# KiCad board yuiop60hh5.kicad_pcb
title: YUIOP60HH; date: 2022-02-05; rev: 5; company: KaoriYa
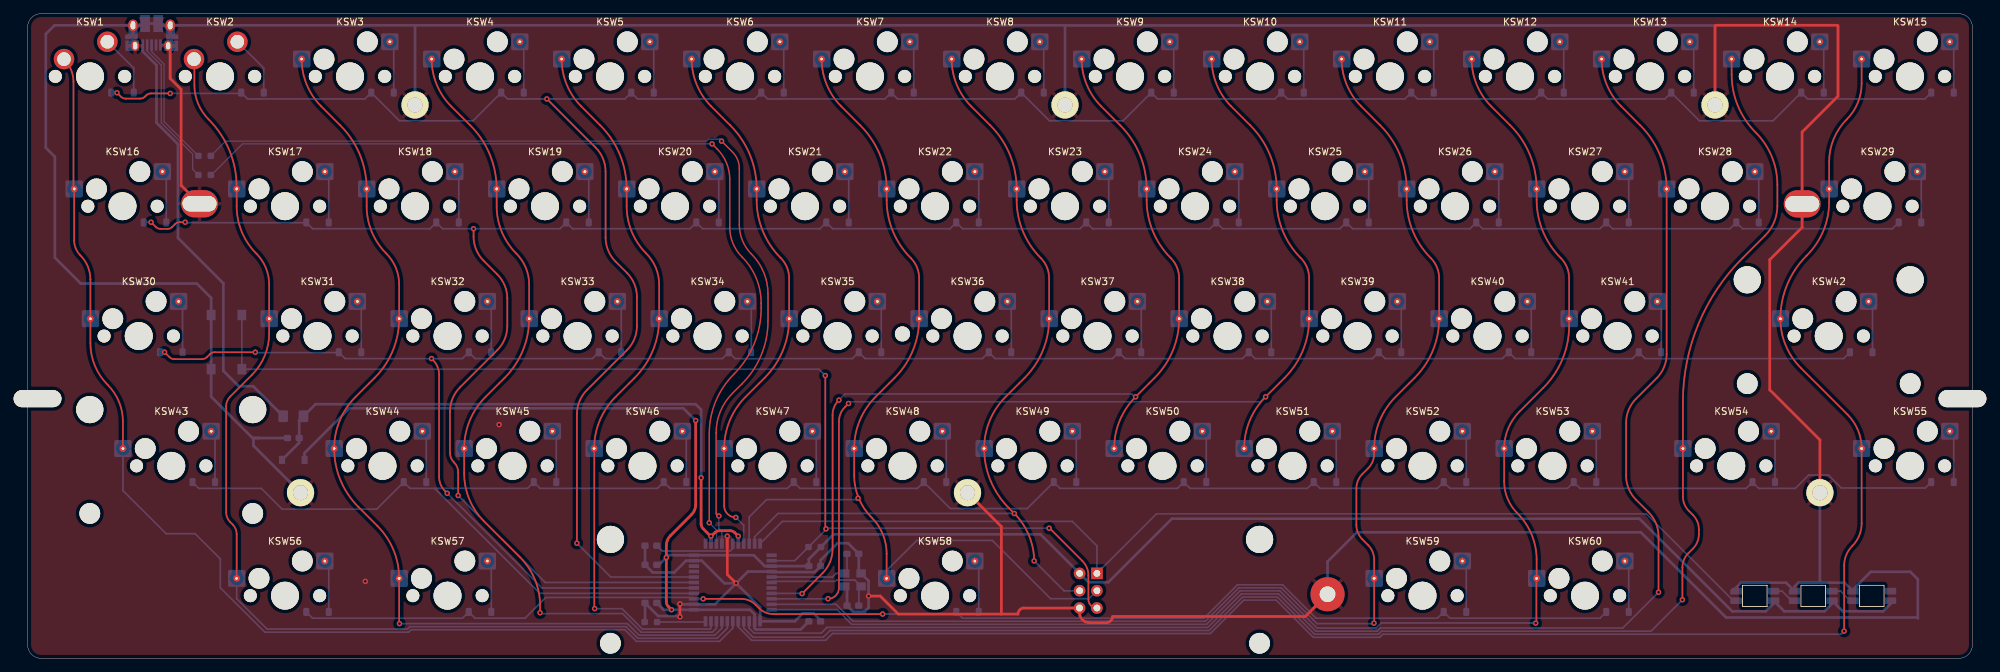
[diagram p0: board, top side]
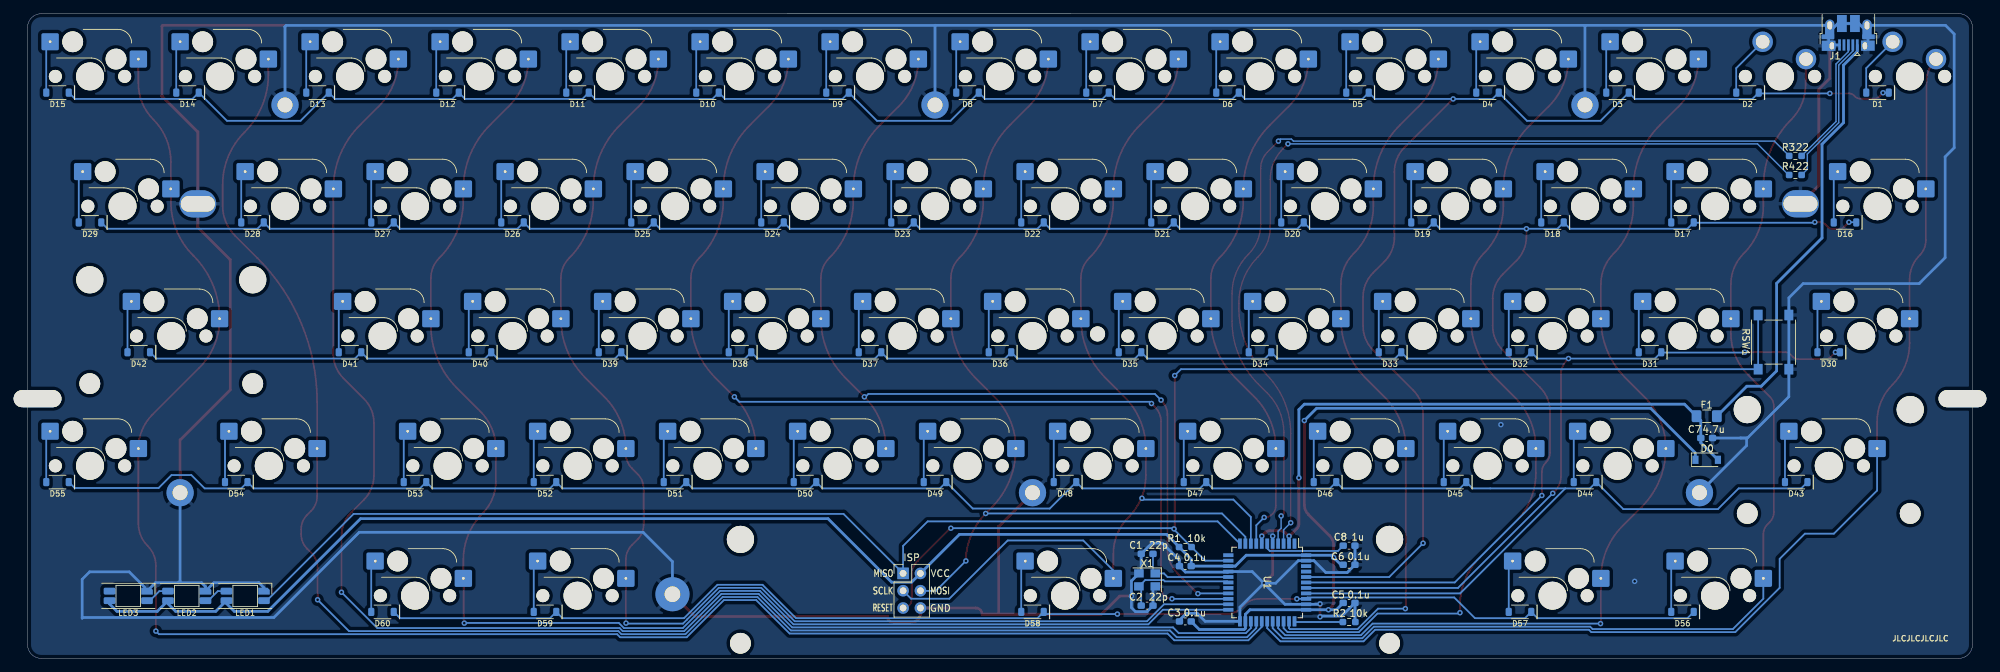
[diagram p1: board, bottom side, seen from below]

Outline 285 x 94.61 mm; copper layers: Top, Bottom. Coordinates in mm from the lower left corner of the outline.
Outline path: 0,92.61 0,2 arc(0.59,0.59) 2,0 283,0 arc(284.41,0.59) 285,2 285,92.6 arc(284.41,94.01) 283,94.6 2,94.61 arc(0.59,94.02) 0,92.61

## Placement (name value [footprint] x y rotation side)
C1  22p  [C_0603_1608Metric_Pad1.08x0.95mm_HandSolder]  120.94 15.34 0 bottom
C2  22p  [C_0603_1608Metric_Pad1.08x0.95mm_HandSolder]  120.94 7.74 180 bottom
C3  0.1u  [C_0603_1608Metric_Pad1.08x0.95mm_HandSolder]  115.34 5.42 0 bottom
C4  0.1u  [C_0603_1608Metric_Pad1.08x0.95mm_HandSolder]  115.34 13.54 0 bottom
C5  0.1u  [C_0603_1608Metric_Pad1.08x0.95mm_HandSolder]  91.34 8.14 180 bottom
C6  0.1u  [C_0603_1608Metric_Pad1.08x0.95mm_HandSolder]  91.34 13.74 180 bottom
C7  4.7u  [C_0603_1608Metric_Pad1.08x0.95mm_HandSolder]  38.94 32.34 180 bottom
C8  1u  [C_0603_1608Metric_Pad1.08x0.95mm_HandSolder]  91.34 16.54 0 bottom
D0  D_Schottky  [D_SOD-123]  38.94 29.14 180 bottom
D1  1N4148W  [D_SOD-123_v2]  13.91 83.02 180 top
D2  1N4148W  [D_SOD-123_v2]  32.96 83.02 180 top
D3  1N4148W  [D_SOD-123_v2]  52.01 83.02 180 top
D4  1N4148W  [D_SOD-123_v2]  71.06 83.02 180 top
D5  1N4148W  [D_SOD-123_v2]  90.11 83.02 180 top
D6  1N4148W  [D_SOD-123_v2]  109.16 83.02 180 top
D7  1N4148W  [D_SOD-123_v2]  128.21 83.02 180 top
D8  1N4148W  [D_SOD-123_v2]  147.26 83.02 180 top
D9  1N4148W  [D_SOD-123_v2]  166.31 83.02 180 top
D10  1N4148W  [D_SOD-123_v2]  185.36 83.02 180 top
D11  1N4148W  [D_SOD-123_v2]  204.41 83.02 180 top
D12  1N4148W  [D_SOD-123_v2]  223.46 83.02 180 top
D13  1N4148W  [D_SOD-123_v2]  242.51 83.02 180 top
D14  1N4148W  [D_SOD-123_v2]  261.56 83.02 180 top
D15  1N4148W  [D_SOD-123_v2]  280.61 83.02 180 top
D16  1N4148W  [D_SOD-123_v2]  18.67 63.97 180 top
D17  1N4148W  [D_SOD-123_v2]  42.49 63.97 180 top
D18  1N4148W  [D_SOD-123_v2]  61.54 63.97 180 top
D19  1N4148W  [D_SOD-123_v2]  80.59 63.97 180 top
D20  1N4148W  [D_SOD-123_v2]  99.64 63.97 180 top
D21  1N4148W  [D_SOD-123_v2]  118.69 63.97 180 top
D22  1N4148W  [D_SOD-123_v2]  137.74 63.97 180 top
D23  1N4148W  [D_SOD-123_v2]  156.79 63.97 180 top
D24  1N4148W  [D_SOD-123_v2]  175.84 63.97 180 top
D25  1N4148W  [D_SOD-123_v2]  194.89 63.97 180 top
D26  1N4148W  [D_SOD-123_v2]  213.94 63.97 180 top
D27  1N4148W  [D_SOD-123_v2]  232.99 63.97 180 top
D28  1N4148W  [D_SOD-123_v2]  252.04 63.97 180 top
D29  1N4148W  [D_SOD-123_v2]  275.85 63.97 180 top
D30  1N4148W  [D_SOD-123_v2]  21.06 44.92 180 top
D31  1N4148W  [D_SOD-123_v2]  47.25 44.92 180 top
D32  1N4148W  [D_SOD-123_v2]  66.3 44.92 180 top
D33  1N4148W  [D_SOD-123_v2]  85.35 44.92 180 top
D34  1N4148W  [D_SOD-123_v2]  104.4 44.92 180 top
D35  1N4148W  [D_SOD-123_v2]  123.45 44.92 180 top
D36  1N4148W  [D_SOD-123_v2]  142.5 44.92 180 top
D37  1N4148W  [D_SOD-123_v2]  161.55 44.92 180 top
D38  1N4148W  [D_SOD-123_v2]  180.6 44.92 180 top
D39  1N4148W  [D_SOD-123_v2]  199.65 44.92 180 top
D40  1N4148W  [D_SOD-123_v2]  218.7 44.92 180 top
D41  1N4148W  [D_SOD-123_v2]  237.75 44.92 180 top
D42  1N4148W  [D_SOD-123_v2]  268.71 44.92 180 top
D43  1N4148W  [D_SOD-123_v2]  25.82 25.87 180 top
D44  1N4148W  [D_SOD-123_v2]  56.78 25.87 180 top
D45  1N4148W  [D_SOD-123_v2]  75.82 25.87 180 top
D46  1N4148W  [D_SOD-123_v2]  94.88 25.87 180 top
D47  1N4148W  [D_SOD-123_v2]  113.93 25.87 180 top
D48  1N4148W  [D_SOD-123_v2]  132.97 25.87 180 top
D49  1N4148W  [D_SOD-123_v2]  152.03 25.87 180 top
D50  1N4148W  [D_SOD-123_v2]  171.07 25.87 180 top
D51  1N4148W  [D_SOD-123_v2]  190.12 25.87 180 top
D52  1N4148W  [D_SOD-123_v2]  209.18 25.87 180 top
D53  1N4148W  [D_SOD-123_v2]  228.23 25.87 180 top
D54  1N4148W  [D_SOD-123_v2]  254.42 25.87 180 top
D55  1N4148W  [D_SOD-123_v2]  280.61 25.87 180 top
D56  1N4148W  [D_SOD-123_v2]  42.49 6.82 180 top
D57  1N4148W  [D_SOD-123_v2]  66.3 6.82 180 top
D58  1N4148W  [D_SOD-123_v2]  137.74 6.82 180 top
D59  1N4148W  [D_SOD-123_v2]  209.18 6.82 180 top
D60  1N4148W  [D_SOD-123_v2]  232.99 6.82 180 top
F1  Fuse  [Fuse_1206_3216Metric_Pad1.42x1.75mm_HandSolder]  38.94 35.54 180 bottom
HOLE1  Hole_5x2.3_6  [Hole_5x2.5_7]  25.2 66.71 0 top
HOLE2  Hole_5x2.3_6  [Hole_5x2.5_7]  260.05 66.7 0 top
HOLE3  Hole_2.3  [Hole_2.2]  128.2 47.61 0 top
HOLE4  Hole_5x2.3_6  [Hole_5x2.5_7#2]  190.5 9.41 0 top
HOLE5  Hole_7x2.5  [Hole_7x2.5_10x5]  1.46 38.11 0 top
HOLE6  Hole_7x2.5  [Hole_7x2.5_10x5]  283.54 38.11 0 top
HOLE7  -  [Hole_2.2_4]  56.78 81.21 180 top
HOLE8  -  [Hole_2.2_4]  40 24.31 0 top
HOLE9  -  [Hole_2.2_4]  247.27 81.21 0 top
HOLE10  -  [Hole_2.2_4]  262.65 24.31 0 top
HOLE11  -  [Hole_2.2_4]  152.03 81.21 0 top
HOLE12  -  [Hole_2.2_4]  137.74 24.31 0 top
J1  USB_B_Micro  [USB_Micro-B_Amphenol_10103594-0001LF_Horizontal]  18.2 91.78 0 bottom
J2  ISP  [PinHeader_2x03_P2.54mm_Vertical]  156.7 12.47 180 bottom
KSW1  KEY_SWITCH  [Cherry_MX_MillMax_1.0u]  9.15 85.4 0 top
KSW2  KEY_SWITCH  [Cherry_MX_MillMax_1.0u]  28.2 85.4 0 top
KSW3  KEY_SWITCH  [Cherry_MX_Hotswap_1.0u_v3]  47.25 85.4 0 top
KSW4  KEY_SWITCH  [Cherry_MX_Hotswap_1.0u_v3]  66.3 85.4 0 top
KSW5  KEY_SWITCH  [Cherry_MX_Hotswap_1.0u_v3]  85.35 85.4 0 top
KSW6  KEY_SWITCH  [Cherry_MX_Hotswap_1.0u_v3]  104.4 85.4 0 top
KSW7  KEY_SWITCH  [Cherry_MX_Hotswap_1.0u_v3]  123.45 85.4 0 top
KSW8  KEY_SWITCH  [Cherry_MX_Hotswap_1.0u_v3]  142.5 85.4 0 top
KSW9  KEY_SWITCH  [Cherry_MX_Hotswap_1.0u_v3]  161.55 85.4 0 top
KSW10  KEY_SWITCH  [Cherry_MX_Hotswap_1.0u_v3]  180.6 85.4 0 top
KSW11  KEY_SWITCH  [Cherry_MX_Hotswap_1.0u_v3]  199.65 85.4 0 top
KSW12  KEY_SWITCH  [Cherry_MX_Hotswap_1.0u_v3]  218.7 85.4 0 top
KSW13  KEY_SWITCH  [Cherry_MX_Hotswap_1.0u_v3]  237.75 85.4 0 top
KSW14  KEY_SWITCH  [Cherry_MX_Hotswap_1.0u_v3]  256.8 85.4 0 top
KSW15  KEY_SWITCH  [Cherry_MX_Hotswap_1.0u_v3]  275.85 85.4 0 top
KSW16  KEY_SWITCH  [Cherry_MX_Hotswap_1.0u_v3]  13.91 66.35 0 top
KSW17  KEY_SWITCH  [Cherry_MX_Hotswap_1.0u_v3]  37.72 66.35 0 top
KSW18  KEY_SWITCH  [Cherry_MX_Hotswap_1.0u_v3]  56.78 66.35 0 top
KSW19  KEY_SWITCH  [Cherry_MX_Hotswap_1.0u_v3]  75.82 66.35 0 top
KSW20  KEY_SWITCH  [Cherry_MX_Hotswap_1.0u_v3]  94.88 66.35 0 top
KSW21  KEY_SWITCH  [Cherry_MX_Hotswap_1.0u_v3]  113.93 66.35 0 top
KSW22  KEY_SWITCH  [Cherry_MX_Hotswap_1.0u_v3]  132.97 66.35 0 top
KSW23  KEY_SWITCH  [Cherry_MX_Hotswap_1.0u_v3]  152.03 66.35 0 top
KSW24  KEY_SWITCH  [Cherry_MX_Hotswap_1.0u_v3]  171.07 66.35 0 top
KSW25  KEY_SWITCH  [Cherry_MX_Hotswap_1.0u_v3]  190.12 66.35 0 top
KSW26  KEY_SWITCH  [Cherry_MX_Hotswap_1.0u_v3]  209.18 66.35 0 top
KSW27  KEY_SWITCH  [Cherry_MX_Hotswap_1.0u_v3]  228.23 66.35 0 top
KSW28  KEY_SWITCH  [Cherry_MX_Hotswap_1.0u_v3]  247.27 66.35 0 top
KSW29  KEY_SWITCH  [Cherry_MX_Hotswap_1.0u_v3]  271.09 66.35 0 top
KSW30  KEY_SWITCH  [Cherry_MX_Hotswap_1.0u_v3]  16.29 47.3 0 top
KSW31  KEY_SWITCH  [Cherry_MX_Hotswap_1.0u_v3]  42.49 47.3 0 top
KSW32  KEY_SWITCH  [Cherry_MX_Hotswap_1.0u_v3]  61.54 47.3 0 top
KSW33  KEY_SWITCH  [Cherry_MX_Hotswap_1.0u_v3]  80.59 47.3 0 top
KSW34  KEY_SWITCH  [Cherry_MX_Hotswap_1.0u_v3]  99.64 47.3 0 top
KSW35  KEY_SWITCH  [Cherry_MX_Hotswap_1.0u_v3]  118.69 47.3 0 top
KSW36  KEY_SWITCH  [Cherry_MX_Hotswap_1.0u_v3]  137.74 47.3 0 top
KSW37  KEY_SWITCH  [Cherry_MX_Hotswap_1.0u_v3]  156.79 47.3 0 top
KSW38  KEY_SWITCH  [Cherry_MX_Hotswap_1.0u_v3]  175.84 47.3 0 top
KSW39  KEY_SWITCH  [Cherry_MX_Hotswap_1.0u_v3]  194.89 47.3 0 top
KSW40  KEY_SWITCH  [Cherry_MX_Hotswap_1.0u_v3]  213.94 47.3 0 top
KSW41  KEY_SWITCH  [Cherry_MX_Hotswap_1.0u_v3]  232.99 47.3 0 top
KSW42  KEY_SWITCH  [Cherry_MX_Hotswap_1.0u_v3]  263.94 47.3 0 top
KSW43  KEY_SWITCH  [Cherry_MX_Hotswap_1.0u_v3]  21.06 28.25 0 top
KSW44  KEY_SWITCH  [Cherry_MX_Hotswap_1.0u_v3]  52.01 28.25 0 top
KSW45  KEY_SWITCH  [Cherry_MX_Hotswap_1.0u_v3]  71.06 28.25 0 top
KSW46  KEY_SWITCH  [Cherry_MX_Hotswap_1.0u_v3]  90.11 28.25 0 top
KSW47  KEY_SWITCH  [Cherry_MX_Hotswap_1.0u_v3]  109.16 28.25 0 top
KSW48  KEY_SWITCH  [Cherry_MX_Hotswap_1.0u_v3]  128.21 28.25 0 top
KSW49  KEY_SWITCH  [Cherry_MX_Hotswap_1.0u_v3]  147.26 28.25 0 top
KSW50  KEY_SWITCH  [Cherry_MX_Hotswap_1.0u_v3]  166.31 28.25 0 top
KSW51  KEY_SWITCH  [Cherry_MX_Hotswap_1.0u_v3]  185.36 28.25 0 top
KSW52  KEY_SWITCH  [Cherry_MX_Hotswap_1.0u_v3]  204.41 28.25 0 top
KSW53  KEY_SWITCH  [Cherry_MX_Hotswap_1.0u_v3]  223.46 28.25 0 top
KSW54  KEY_SWITCH  [Cherry_MX_Hotswap_1.0u_v3]  249.66 28.25 0 top
KSW55  KEY_SWITCH  [Cherry_MX_Hotswap_1.0u_v3]  275.85 28.25 0 top
KSW56  KEY_SWITCH  [Cherry_MX_Hotswap_1.0u_v3]  37.72 9.2 0 top
KSW57  KEY_SWITCH  [Cherry_MX_Hotswap_1.0u_v3]  61.54 9.2 0 top
KSW58  KEY_SWITCH  [Cherry_MX_Hotswap_1.0u_v3]  132.97 9.2 0 top
KSW59  KEY_SWITCH  [Cherry_MX_Hotswap_1.0u_v3]  204.41 9.2 0 top
KSW60  KEY_SWITCH  [Cherry_MX_Hotswap_1.0u_v3]  228.23 9.2 0 top
LED1  SK6812MINI  [SK6812MINI-E_B]  253.11 9.17 180 top
LED2  SK6812MINI  [SK6812MINI-E_B]  261.68 9.17 180 top
LED3  SK6812MINI  [SK6812MINI-E_B]  270.24 9.17 180 top
R1  10k  [R_0603_1608Metric_Pad0.98x0.95mm_HandSolder]  115.34 16.34 180 bottom
R2  10k  [R_0603_1608Metric_Pad0.98x0.95mm_HandSolder]  91.34 5.34 0 bottom
R3  22  [R_0603_1608Metric_Pad0.98x0.95mm_HandSolder]  25.94 73.74 180 bottom
R4  22  [R_0603_1608Metric_Pad0.98x0.95mm_HandSolder]  25.94 70.94 180 bottom
RSW1  RESET  [SW_Push_1P1T_NO_6x6mm_H9.5mm]  29.15 46.41 90 bottom
STB1  -  [Cherry_MX_Stabilizer]  21.06 28.25 0 top
STB2  -  [Cherry_MX_Stabilizer_6.0u]  132.97 9.2 0 top
STB3  -  [Cherry_MX_Stabilizer]  263.94 47.3 0 top
U1  ATmega32U4-AU  [TQFP-44_10x10mm_P0.8mm]  103.34 11.14 270 bottom
X1  XTAL  [Oscillator_SMD_SeikoEpson_SG8002CE-4Pin_3.2x2.5mm]  120.94 11.52 0 bottom

## Library data of the parts
LED1-LED3 = -: Field4: 1

## Footprints (pads in the part's own frame, mm; a bottom-side part is the same pattern mirrored in y, then rotated)
C_0603_1608Metric_Pad1.08x0.95mm_HandSolder
  rrect 1.075x0.95 smd: 1(-0.863,0) 2(0.863,0)
Cherry_MX_Hotswap_1.0u_v3
  round 1.9 hole 1.9 unplated: (-5.08,0) (5.08,0)
  round 3.05 hole 3.05 unplated: (-3.81,2.54) (2.54,5.08)
  round 4.1 hole 4.1 unplated: (0,0)
  round 1 hole 0.4: 1(-7.085,2.54) 2(5.842,5.08)
  rrect 2.55x2.5 smd far side: 1(-7.085,2.54) 2(5.842,5.08)
Cherry_MX_MillMax_1.0u
  round 1.9 hole 1.9 unplated: (-5.08,0) (5.08,0)
  round 4.1 hole 4.1 unplated: (0,0)
  round 3 hole 2: 1(-3.81,2.54) 2(2.54,5.08)
Cherry_MX_Stabilizer
  round 3.988 hole 3.988 unplated: (-11.938,8.255) (11.938,8.255)
  round 3.048 hole 3.048 unplated: (-11.938,-6.985) (11.938,-6.985)
Cherry_MX_Stabilizer_6.0u
  round 3.988 hole 3.988 unplated: (-47.563,8.255) (47.563,8.255)
  round 3.048 hole 3.048 unplated: (-47.563,-6.985) (47.563,-6.985)
D_SOD-123
  rect 0.9x1.2 smd: 1(-1.65,0) 2(1.65,0)
D_SOD-123_v2
  rrect 0.9x1.2 smd far side: 1(1.65,0) 2(-1.65,0)
Fuse_1206_3216Metric_Pad1.42x1.75mm_HandSolder
  rrect 1.425x1.75 smd: 1(-1.488,0) 2(1.488,0)
Hole_2.2
  round 2.2 hole 2.2 unplated: (0,0)
Hole_2.2_4
  round 4 hole 2.2: (0,0)
Hole_5x2.5_7
  oval 5.4x4 hole 5x2.3: (0,0)
Hole_5x2.5_7#2
  round 5 hole 2.3: (0,0)
Hole_7x2.5_10x5
  oval 7x2.5 hole 7x2.5: (0,0)
Oscillator_SMD_SeikoEpson_SG8002CE-4Pin_3.2x2.5mm
  rect 1.4x1.2 smd: 1(-1.2,-0.95) 2(1.2,-0.95) 3(1.2,0.95) 4(-1.2,0.95)
PinHeader_2x03_P2.54mm_Vertical
  rect 1.7x1.7 hole 1: 1(0,0)
  oval 1.7x1.7 hole 1: 2(2.54,0) 3(0,-2.54) 4(2.54,-2.54) 5(0,-5.08) 6(2.54,-5.08)
R_0603_1608Metric_Pad0.98x0.95mm_HandSolder
  rrect 0.975x0.95 smd: 1(-0.912,0) 2(0.912,0)
SK6812MINI-E_B
  rrect 1.7x1 smd far side: 1(-2.75,0.7) 2(-2.75,-0.7) 3(2.75,-0.7) 4(2.75,0.7)
SW_Push_1P1T_NO_6x6mm_H9.5mm
  rect 1.55x1.3 smd: 1(-3.975,2.25) 1(3.975,2.25) 2(-3.975,-2.25) 2(3.975,-2.25)
TQFP-44_10x10mm_P0.8mm
  rect 1.5x0.55 smd: 1(-5.7,4) 2(-5.7,3.2) 3(-5.7,2.4) 4(-5.7,1.6) 5(-5.7,0.8) 6(-5.7,0) 7(-5.7,-0.8) 8(-5.7,-1.6) 9(-5.7,-2.4) 10(-5.7,-3.2) 11(-5.7,-4) 23(5.7,-4) 24(5.7,-3.2) 25(5.7,-2.4) 26(5.7,-1.6) 27(5.7,-0.8) 28(5.7,0) 29(5.7,0.8) 30(5.7,1.6) 31(5.7,2.4) 32(5.7,3.2) 33(5.7,4)
  rect 0.55x1.5 smd: 12(-4,-5.7) 13(-3.2,-5.7) 14(-2.4,-5.7) 15(-1.6,-5.7) 16(-0.8,-5.7) 17(0,-5.7) 18(0.8,-5.7) 19(1.6,-5.7) 20(2.4,-5.7) 21(3.2,-5.7) 22(4,-5.7) 34(4,5.7) 35(3.2,5.7) 36(2.4,5.7) 37(1.6,5.7) 38(0.8,5.7) 39(0,5.7) 40(-0.8,5.7) 41(-1.6,5.7) 42(-2.4,5.7) 43(-3.2,5.7) 44(-4,5.7)
USB_Micro-B_Amphenol_10103594-0001LF_Horizontal
  rect 0.4x1.65 smd: 1(-1.325,1.765) 2(-0.675,1.765) 3(-0.025,1.765) 4(0.625,1.765) 5(1.275,1.765)
  rect 1.825x0.7 smd: 6(-2.975,0.565) 6(2.975,0.565)
  rect 2x1.5 smd: 6(-2.875,1.865) 6(2.875,1.885)
  oval 1.35x1.7 hole 0.7x1.2: 6(-2.755,-1.115) 6(2.705,-1.115)
  rect 1.35x2 smd: 6(-2.755,-0.185) 6(2.725,-0.185)
  oval 1.1x1.5 hole 0.65x1.05: 6(-2.445,1.885) 6(2.395,1.885)
  rect 1.43x2.5 smd: 6(-0.985,-1.385) 6(0.935,-1.385)

## Nets
GND: C1.2 C2.2 C3.2 C4.2 C5.2 C6.2 C7.2 C8.1 HOLE1. HOLE2. HOLE4. HOLE7. HOLE8. HOLE9. HOLE10. HOLE11. HOLE12. J1.5 J1.6 J2.6 LED1.3 LED2.3 LED3.3 R2.1 RSW1.2 U1.5 U1.15 U1.23 U1.35 U1.43 X1.2 X1.4
VCC: C3.1 C4.1 C5.1 C6.1 D0.1 J2.2 LED1.1 LED2.1 LED3.1 R1.1 U1.14 U1.24 U1.34 U1.44
/COL_01: KSW1.1 KSW16.1 KSW30.1 KSW43.1 U1.28
/COL_02: KSW2.1 KSW17.1 KSW31.1 KSW56.1 U1.29
/COL_03: KSW3.1 KSW18.1 KSW32.1 KSW44.1 KSW57.1 U1.30
/COL_04: KSW4.1 KSW19.1 KSW33.1 KSW45.1 U1.31
/COL_05: KSW5.1 KSW20.1 KSW34.1 KSW46.1 U1.32
/COL_06: KSW6.1 KSW21.1 KSW35.1 KSW47.1 U1.8
/COL_07: J2.3 KSW7.1 KSW22.1 KSW36.1 KSW48.1 KSW58.1 U1.9
/COL_08: J2.4 KSW8.1 KSW23.1 KSW37.1 KSW49.1 U1.10
/COL_09: KSW9.1 KSW24.1 KSW38.1 KSW50.1 U1.19
/COL_10: KSW10.1 KSW25.1 KSW39.1 KSW51.1 U1.20
/COL_11: KSW11.1 KSW26.1 KSW40.1 KSW52.1 KSW59.1 U1.21
/COL_12: KSW12.1 KSW27.1 KSW41.1 KSW53.1 KSW60.1 U1.22
/COL_13: KSW13.1 KSW28.1 U1.25
/COL_14: KSW14.1 KSW54.1 U1.26
/COL_15: KSW15.1 KSW29.1 KSW42.1 KSW55.1 U1.27
/Controller/D+: R3.1 U1.4
/Controller/D-: R4.1 U1.3
/Controller/P01_E6: U1.1
/Controller/P12_B7: U1.12
/Controller/P18_D0: U1.18
/Controller/P41_F0: U1.41
/Controller/V_USB: C7.1 D0.2 F1.1 U1.2 U1.7
/Controller/XTAL1: C2.1 U1.17 X1.3
/Controller/XTAL2: C1.1 U1.16 X1.1
/LED Array/DOUT: LED3.2
/LED_DATA: J2.1 LED1.4 U1.11
/RESET: J2.5 R1.2 RSW1.1 U1.13
/ROW_1: D1.1 D2.1 D3.1 D4.1 D5.1 D6.1 D7.1 D8.1 D9.1 D10.1 D11.1 D12.1 D13.1 D14.1 D15.1 U1.40
/ROW_2: D16.1 D17.1 D18.1 D19.1 D20.1 D21.1 D22.1 D23.1 D24.1 D25.1 D26.1 D27.1 D28.1 D29.1 U1.39
/ROW_3: D30.1 D31.1 D32.1 D33.1 D34.1 D35.1 D36.1 D37.1 D38.1 D39.1 D40.1 D41.1 D42.1 U1.38
/ROW_4: D43.1 D44.1 D45.1 D46.1 D47.1 D48.1 D49.1 D50.1 D51.1 D52.1 D53.1 D54.1 D55.1 U1.37
/ROW_5: D56.1 D57.1 D58.1 D59.1 D60.1 U1.36
/USB_D+: J1.3 R3.2
/USB_D-: J1.2 R4.2
/USB_VBUS: F1.2 J1.1
Net-(C8-Pad2): C8.2 U1.6
Net-(D1-Pad2): D1.2 KSW1.2
Net-(D2-Pad2): D2.2 KSW2.2
Net-(D3-Pad2): D3.2 KSW3.2
Net-(D4-Pad2): D4.2 KSW4.2
Net-(D5-Pad2): D5.2 KSW5.2
Net-(D6-Pad2): D6.2 KSW6.2
Net-(D7-Pad2): D7.2 KSW7.2
Net-(D8-Pad2): D8.2 KSW8.2
Net-(D9-Pad2): D9.2 KSW9.2
Net-(D10-Pad2): D10.2 KSW10.2
Net-(D11-Pad2): D11.2 KSW11.2
Net-(D12-Pad2): D12.2 KSW12.2
Net-(D13-Pad2): D13.2 KSW13.2
Net-(D14-Pad2): D14.2 KSW14.2
Net-(D15-Pad2): D15.2 KSW15.2
Net-(D16-Pad2): D16.2 KSW16.2
Net-(D17-Pad2): D17.2 KSW17.2
Net-(D18-Pad2): D18.2 KSW18.2
Net-(D19-Pad2): D19.2 KSW19.2
Net-(D20-Pad2): D20.2 KSW20.2
Net-(D21-Pad2): D21.2 KSW21.2
Net-(D22-Pad2): D22.2 KSW22.2
Net-(D23-Pad2): D23.2 KSW23.2
Net-(D24-Pad2): D24.2 KSW24.2
Net-(D25-Pad2): D25.2 KSW25.2
Net-(D26-Pad2): D26.2 KSW26.2
Net-(D27-Pad2): D27.2 KSW27.2
Net-(D28-Pad2): D28.2 KSW28.2
Net-(D29-Pad2): D29.2 KSW29.2
Net-(D30-Pad2): D30.2 KSW30.2
Net-(D31-Pad2): D31.2 KSW31.2
Net-(D32-Pad2): D32.2 KSW32.2
Net-(D33-Pad2): D33.2 KSW33.2
Net-(D34-Pad2): D34.2 KSW34.2
Net-(D35-Pad2): D35.2 KSW35.2
Net-(D36-Pad2): D36.2 KSW36.2
Net-(D37-Pad2): D37.2 KSW37.2
Net-(D38-Pad2): D38.2 KSW38.2
Net-(D39-Pad2): D39.2 KSW39.2
Net-(D40-Pad2): D40.2 KSW40.2
Net-(D41-Pad2): D41.2 KSW41.2
Net-(D42-Pad2): D42.2 KSW42.2
Net-(D43-Pad2): D43.2 KSW43.2
Net-(D44-Pad2): D44.2 KSW44.2
Net-(D45-Pad2): D45.2 KSW45.2
Net-(D46-Pad2): D46.2 KSW46.2
Net-(D47-Pad2): D47.2 KSW47.2
Net-(D48-Pad2): D48.2 KSW48.2
Net-(D49-Pad2): D49.2 KSW49.2
Net-(D50-Pad2): D50.2 KSW50.2
Net-(D51-Pad2): D51.2 KSW51.2
Net-(D52-Pad2): D52.2 KSW52.2
Net-(D53-Pad2): D53.2 KSW53.2
Net-(D54-Pad2): D54.2 KSW54.2
Net-(D55-Pad2): D55.2 KSW55.2
Net-(D56-Pad2): D56.2 KSW56.2
Net-(D57-Pad2): D57.2 KSW57.2
Net-(D58-Pad2): D58.2 KSW58.2
Net-(D59-Pad2): D59.2 KSW59.2
Net-(D60-Pad2): D60.2 KSW60.2
Net-(LED1-Pad2): LED1.2 LED2.4
Net-(LED2-Pad2): LED2.2 LED3.4
Net-(R2-Pad2): R2.2 U1.33

Pads without a net: J1 4; U1 42

## Via types
v1: diameter 0.8, hole 0.4, Top to Bottom, 52 vias

## Routing (per net, layer and track width the routed paths; a pad name or vN(x,y) marks a point on that pad's centre or on a via; arc(x,y) is an arc through that point)
GND: length 857.3
  Top w0.4: 190.5,9.41 187.23,6.14 159,6.14 arc(158.73,5.5) 158.1,5.24 155.61,5.24 arc(154.58,5.66) 154.16,6.68 J2.6 146.02,7.39 arc(145.39,7.13) 145.13,6.5 142.7,6.5 ; v1(123.24,9.14) 124.96,9.14 127.6,6.5 142.7,6.5 ; 25.2,66.71 22.5,69.41 22.5,83.5 20.9,85.1 20.9,89.59 J1.6 ; 142.7,6.5 142.7,19.35 137.74,24.31 ; 247.27,81.21 247.27,92.78 247.4,92.9 265.2,92.9 265.3,92.8 265.3,82.5 260.05,77.25 260.05,63.25 255.3,58.5 255.3,39.4 262.65,32.05 262.65,24.31 ; v1(103.83,11.02) 102.54,12.31 v1(102.54,17.94) ; v1(95.6,8) v1(95.6,6.1)
  Bottom w0.4: 267.8,10.4 270.1,12.7 275.9,12.7 277,11.6 277,5.9 276.9,6 248.9,6 236.4,18.5 194.8,18.5 190.5,14.2 190.5,9.41 ; 33.96,32.34 32.96,32.34 26.9,38.4 RSW1.2 26.9,52.9 24.8,55 7.8,55 4,58.8 4,73.6 2.67,74.93 2.67,91.62 3.94,92.89 15.44,92.89 ; 33.96,32.34 C7.2 ; 33.96,32.34 33.1,32.34 33.1,31.21 40,24.31 ; v1(103.83,11.02) 100.74,7.94 U1.35 95.66,7.94 v1(95.6,8) ; v1(103.83,11.02) 102.11,11.02 98.79,14.34 U1.43 96.49,14.34 94.76,12.6 91.62,12.6 C6.2 C8.1 ; v1(103.83,11.02) 107.34,7.51 U1.23 112.44,5.44 113.6,6.6 115.2,6.6 116.21,5.59 C3.2 ; v1(103.83,11.02) 105.54,12.74 109.04,12.74 109.12,12.66 115.33,12.66 C4.2 116.21,14.41 118.7,16.9 120.24,16.9 C1.2 121.81,12.8 X1.2 123.24,11.37 v1(123.24,9.14) 123.24,7.44 122.66,6.86 120.96,6.86 C2.2 120.08,10.23 119.74,10.57 ; 152.03,92.88 152.03,81.21 ; 152.03,92.88 247.12,92.88 247.3,92.7 247.27,92.68 247.27,81.21 ; 152.03,92.88 152,92.9 151.99,92.89 56.71,92.89 ; LED3.3 266.26,11.1 262.9,11.1 ; 262.9,11.1 259.5,11.1 258.93,10.53 LED2.3 257.7,11.1 251.09,11.1 250.36,10.37 LED1.3 ; 262.9,11.1 262.65,11.35 262.65,24.31 ; 56.71,92.89 56.8,92.8 56.78,92.78 56.78,81.21 ; 56.71,92.89 J1.6 ; 102.54,16.84 v1(102.54,17.94) ; R2.1 90.48,5.39 C5.2 92.41,6.21 95.49,6.21 v1(95.6,6.1) ; J1.5 20.95,90.01 J1.6 21.08,91.81 J1.6 19.72,93.16 J1.6 J1.6 16.64,93.16 15.33,91.84 J1.6
  vias: v1(49.5,11.3) v1(69.1,34.3)
VCC: length 318
  Top w0.4: v1(97.9,34.9) 97.9,22.53 arc(97.75,21.76) 97.31,21.11 94.19,17.99 arc(93.76,17.34) 93.61,16.58 v1(93.61,14.8) 93.61,8.31 arc(93.68,7.93) 93.9,7.6 v1(94.36,7.14)
  Bottom w0.4: v1(97.9,34.9) 96.1,36.7 47.16,36.7 40.59,30.14 D0.1 ; C6.1 92.54,13.74 v1(93.61,14.8) 93.94,15.14 U1.44 106.42,15.14 108.02,13.54 C4.1 114.48,14.56 R1.1 116.26,16.36 118.1,18.2 148.43,18.2 J2.2 155.45,11.18 158.38,11.18 167.7,20.5 236.2,20.5 249.8,6.9 254.7,6.9 255.86,8.06 LED1.1 257.43,6.9 263.3,6.9 264.43,8.03 LED2.1 266,6.9 271.9,6.9 272.99,7.99 LED3.1 ; C3.1 113.29,4.23 106.72,4.23 106.54,4.41 106.54,6.46 105.87,7.14 U1.34 v1(94.36,7.14) 93.21,7.14 C5.1
/COL_01: length 168.8
  Top w0.25: KSW43.1 13.97,34.76 arc(13.39,37.67) 11.74,40.14 arc(9.87,42.94) 9.21,46.25 KSW30.1 9.21,55.6 arc(8.83,57.51) 7.74,59.14 arc(7.07,60.15) 6.83,61.35 KSW16.1 6.73,68.99 6.73,84.6 arc(6.37,86.41) KSW1.1
  Bottom w0.25: KSW43.1 13.97,24.63 20.3,18.3 24.55,18.3 28.25,14.6 28.25,10.35 34.75,3.85 55.85,3.85 56.2,4.2 87.53,4.2 89.23,2.5 101.41,2.5 103.34,4.44 U1.28
/COL_02: length 161
  Top w0.25: KSW2.1 24.44,87.89 24.44,84.15 arc(24.99,81.41) 26.54,79.08 arc(29.58,74.54) 30.64,69.19 KSW17.1 30.64,66.37 arc(31.39,62.59) 33.53,59.4 arc(34.91,57.32) 35.4,54.87 KSW31.1 35.4,47.67 arc(34.75,44.4) 32.89,41.62 29.69,38.41 arc(29.25,37.76) 29.1,36.99 29.1,21.43 arc(29.25,20.66) 29.69,20.01 30.05,19.65 arc(30.49,19) 30.64,18.23 KSW56.1
  Bottom w0.25: KSW56.1 30.64,8.76 35.1,4.3 55.66,4.3 56.01,4.65 87.71,4.65 89.41,2.95 101.06,2.95 102.54,4.44 102.54,5.44
/COL_03: length 142.4
  Top w0.25: v1(54.5,5.1) 54.45,5.15 KSW57.1 arc(53.62,15.9) 51.27,19.43 48.48,22.22 arc(45.85,26.15) KSW44.1 arc(45.75,34.9) 48.07,38.38 50.86,41.17 arc(53.52,45.15) KSW32.1 54.45,54.87 arc(53.96,57.32) 52.58,59.4 arc(50.44,62.59) 49.69,66.37 KSW18.1 arc(48.69,73.93) 45.83,78.21 43.04,81 arc(40.91,84.18) KSW3.1
  Bottom w0.25: U1.30 101.74,4.44 100.71,3.4 89.6,3.4 87.9,5.1 v1(54.5,5.1)
/COL_04: length 120.5
  Top w0.25: v1(75.1,6.7) 75.1,7.76 arc(74.34,11.58) 72.17,14.83 66.91,20.09 arc(64.74,23.34) 63.98,27.16 KSW45.1 arc(64.8,34.9) 67.12,38.38 69.91,41.17 arc(72.57,45.15) KSW33.1 73.5,54.87 arc(73.01,57.32) 71.63,59.4 arc(69.49,62.59) 68.74,66.37 KSW19.1 arc(67.74,73.93) 64.88,78.21 62.09,81 arc(59.96,84.18) KSW4.1
  Bottom w0.25: 100.94,5.44 100.94,4.44 100.36,3.85 89.91,3.85 87.19,6.58 75.1,6.58 v1(75.1,6.7)
/COL_05: length 107.2
  Top w0.25: v1(83.1,7.3) 83.04,7.36 83.04,30.75 arc(83.04,30.77) KSW46.1 arc(83.85,34.9) 86.17,38.38 88.96,41.17 arc(91.62,45.15) KSW34.1 92.55,54.87 arc(92.06,57.32) 90.68,59.4 arc(88.54,62.59) 87.79,66.37 KSW20.1 arc(86.79,73.93) 83.93,78.21 81.14,81 arc(79.01,84.18) KSW5.1
  Bottom w0.25: U1.32 100.14,4.44 100.01,4.3 90.1,4.3 87.1,7.3 v1(83.1,7.3)
/COL_06: length 79.7
  Top w0.25: KSW6.1 arc(98.06,84.18) 100.19,81 102.98,78.21 arc(105.84,73.93) KSW21.1 106.84,67.27 arc(107.76,62.66) 110.36,58.76 arc(111.28,57.39) 111.6,55.77 KSW35.1 arc(110.67,45.15) 108.01,41.17 105.22,38.38 arc(102.9,34.9) KSW47.1 102.08,22.39 arc(102.58,21.18) v1(103.79,20.68)
  Bottom w0.25: 104.94,16.84 104.94,19.53 v1(103.79,20.68)
/COL_07: length 143.6
  Top w0.25: KSW58.1 125.89,15.37 arc(125.32,18.23) 123.7,20.66 arc(121.8,23.51) 121.13,26.87 KSW48.1 arc(121.95,34.9) 124.27,38.38 127.06,41.17 arc(129.72,45.15) KSW36.1 130.65,55.77 arc(130.33,57.39) 129.41,58.76 arc(126.81,62.66) 125.89,67.27 KSW22.1 arc(124.89,73.93) 122.03,78.21 119.24,81 arc(117.11,84.18) KSW7.1
  Bottom w0.25: v1(121.7,23.5) 121.7,23.3 108.3,23.3 105.74,20.74 U1.9 ; KSW58.1 125.89,12.89 130.3,17.3 141.38,17.3 149.92,8.76 155.53,8.76 J2.3
/COL_08: length 131.9
  Top w0.25: v1(147.5,14.3) 147.5,14.3 147.5,14.58 arc(146.68,18.2) v1(144.6,21.26) 143.79,22.07 arc(141.12,26.07) KSW49.1 arc(141,34.9) 143.32,38.38 146.11,41.17 arc(148.77,45.15) KSW37.1 149.7,55.77 arc(149.38,57.39) 148.46,58.76 arc(145.86,62.66) 144.94,67.27 KSW23.1 arc(143.94,73.93) 141.08,78.21 138.29,81 arc(136.16,84.18) KSW8.1
  Bottom w0.25: v1(144.6,21.26) 109.97,21.26 106.54,17.84 106.54,16.84 ; v1(147.5,14.3) 151.9,9.9 154.09,9.9 arc(154.13,9.91) J2.4
/COL_09: length 143.2
  Top w0.25: v1(118.9,37.9) 118.84,37.84 arc(118.19,36.87) 117.96,35.72 117.96,16.03 arc(117.58,14.12) 116.5,12.5 v1(113.5,9.5) ; KSW9.1 arc(155.21,84.18) 157.34,81 160.13,78.21 arc(162.99,73.93) KSW24.1 163.99,67.27 arc(164.91,62.66) 167.51,58.76 arc(168.43,57.39) 168.75,55.77 KSW38.1 arc(167.82,45.15) 165.16,41.17 v1(162.37,38.38) arc(160.05,34.9) KSW50.1
  Bottom w0.25: 109.04,9.54 113.46,9.54 v1(113.5,9.5) ; v1(118.9,37.9) 119.8,38.8 161.79,38.8 162.29,38.3 arc(162.35,38.32) v1(162.37,38.38)
/COL_10: length 164.1
  Top w0.25: v1(120.3,37.4) 119.78,36.88 arc(119.13,35.91) 118.9,34.76 118.9,10.34 arc(118.43,9.21) v1(117.3,8.74) ; KSW10.1 arc(174.26,84.18) 176.39,81 179.18,78.21 arc(182.04,73.93) KSW25.1 183.04,67.27 arc(183.96,62.66) 186.56,58.76 arc(187.48,57.39) 187.8,55.77 KSW39.1 arc(186.87,45.15) 184.21,41.17 v1(181.42,38.38) arc(179.1,34.9) KSW51.1
  Bottom w0.25: v1(120.3,37.4) 120.56,37.66 180.7,37.66 v1(181.42,38.38) ; v1(117.3,8.74) 117.3,8.74 109.04,8.74
/COL_11: length 185.1
  Top w0.25: v1(197.3,5.17) 197.33,5.2 KSW59.1 197.33,14.5 arc(197.1,15.64) 196.45,16.62 195.6,17.47 arc(194.95,18.44) 194.72,19.59 194.72,24.92 arc(194.95,26.07) 195.6,27.05 196.45,27.89 arc(197.1,28.87) 197.33,30.02 KSW52.1 arc(198.15,34.9) 200.47,38.38 203.26,41.17 arc(205.92,45.15) KSW40.1 206.85,55.77 arc(206.53,57.39) 205.61,58.76 arc(203.01,62.66) 202.09,67.27 KSW26.1 arc(201.09,73.93) 198.23,78.21 195.44,81 arc(193.31,84.18) KSW11.1
  Bottom w0.25: 109.04,7.94 118.46,7.94 120.96,5.44 172.58,5.44 177.49,10.35 183.71,10.35 188.34,5.72 188.34,5.71 188.95,5.1 197.23,5.1 v1(197.3,5.17)
/COL_12: length 208.8
  Top w0.25: v1(221,5.17) 221.1,5.27 221.1,11.7 KSW60.1 221.14,14.47 arc(220.41,18.16) 218.31,21.3 arc(216.88,23.44) 216.38,25.97 KSW53.1 arc(216.96,33.72) 218.62,36.21 222.12,39.71 arc(224.92,43.9) 225.9,48.83 KSW41.1 225.9,55.77 arc(225.58,57.39) 224.66,58.76 arc(222.06,62.66) 221.14,67.27 KSW27.1 arc(220.14,73.93) 217.28,78.21 214.49,81 arc(212.36,84.18) KSW12.1
  Bottom w0.25: v1(221,5.17) 220.97,5.2 198.35,5.2 197.6,4.45 188.97,4.45 183.52,9.9 177.67,9.9 172.77,5 120.77,5 118.63,7.14 109.04,7.14
/COL_13: length 226.3
  Top w0.25: v1(239,9.7) 239,17.92 arc(238.62,19.83) 237.54,21.45 235.71,23.28 arc(234.63,24.9) 234.24,26.82 234.24,34.56 arc(234.63,36.47) 235.71,38.1 238.73,41.11 arc(239.81,42.73) 240.19,44.65 KSW28.1 arc(239.19,73.93) 236.33,78.21 233.54,81 arc(231.41,84.18) KSW13.1
  Bottom w0.25: U1.25 105.74,4.44 106.47,3.71 116.31,3.71 117.15,4.55 172.95,4.55 177.86,9.45 183.33,9.45 188.79,4 197.79,4 198.24,4.45 233.75,4.45 v1(239,9.7)
/COL_14: length 232.7
  Top w0.25: KSW14.1 249.71,85.68 arc(250.63,81.08) 253.24,77.18 arc(255.59,73.66) 256.41,69.51 256.41,66.38 arc(255.95,64.03) 254.62,62.04 251.33,58.76 arc(244.85,49.06) 242.57,37.61 KSW54.1 242.57,23.76 arc(242.8,22.61) 243.45,21.64 244.03,21.05 arc(244.68,20.08) 244.91,18.93 244.91,18.22 arc(244.68,17.07) 244.03,16.09 243.38,15.44 arc(242.73,14.47) 242.5,13.32 v1(242.5,8.6)
  Bottom w0.25: v1(242.5,8.6) 237.9,4 198.42,4 197.97,3.55 188.6,3.55 183.15,9 178.04,9 173.14,4.1 117.6,4.1 116.6,3.1 106.3,3.1 104.94,4.46 104.94,5.44
/COL_15: length 260.8
  Top w0.25: v1(266.2,4) 266.2,13.6 arc(266.51,15.17) 267.4,16.5 arc(268.41,18.01) 268.76,19.8 268.76,30.79 arc(268.23,33.49) 266.7,35.77 259.85,42.63 arc(257.64,45.94) KSW42.1 arc(257.85,54.84) 260.69,59.08 260.74,59.14 arc(263.16,62.75) 264,67 KSW29.1 264,72.87 arc(264.67,76.23) 266.57,79.08 arc(268.2,81.51) 268.76,84.37 268.76,87.94
  Bottom w0.25: U1.27 104.14,4.62 106.11,2.65 116.95,2.65 117.95,3.65 173.33,3.65 178.23,8.55 182.96,8.55 188.41,3.1 198.16,3.1 198.61,3.55 265.75,3.55 v1(266.2,4)
/Controller/D+: length 139.8
  Top w0.2: v1(101.7,75.9) 103.31,74.29 arc(104.04,73.19) 104.3,71.9 104.3,63.65 arc(104.77,61.29) 106.1,59.3 arc(107.88,56.64) 108.5,53.51 108.5,49.47 arc(107.51,44.51) 104.7,40.3 103.3,38.9 arc(101.52,36.24) 100.9,33.1 100.9,33.1 100.9,21.3 arc(101.02,21.02) v1(101.3,20.9)
  Bottom w0.2: R3.1 29.02,75.9 99.5,75.9 99.8,76.2 101.4,76.2 v1(101.7,75.9) ; v1(101.3,20.9) 101.3,19.1 101.74,18.66 U1.4
/Controller/D-: length 138.5
  Top w0.2: v1(99.9,19.9) 99.9,33.01 arc(100.84,37.71) 103.5,41.7 arc(106.46,46.13) 107.5,51.36 107.5,52.14 arc(106.77,55.8) 104.7,58.9 arc(103.37,60.89) 102.9,63.25 102.9,70.3 arc(102.42,72.7) 101.06,74.74 v1(100.3,75.5)
  Bottom w0.2: R4.1 26.94,70.94 31.5,75.5 v1(100.3,75.5) ; v1(99.9,19.9) 100.94,18.86 100.94,16.84
/Controller/V_USB: length 93
  Top w0.4: v1(98.7,26.5) 98.7,19.73 arc(98.78,19.35) 98.99,19.03 100.14,17.88 100.71,18.44 arc(101.03,18.66) 101.42,18.74 102.93,18.74 arc(103.31,18.66) 103.64,18.44 v1(104.14,17.94)
  Bottom w0.4: U1.7 v1(104.14,17.94) ; 100.14,17.88 U1.2 ; v1(98.7,26.5) 98.7,36.5 97.9,37.3 42.19,37.3 F1.1 39.81,34.91 C7.1 39.81,31.65 D0.2
  vias: v1(100.14,17.93)
/Controller/XTAL1: length 16.6
  Bottom w0.25: 109.04,11.14 109.21,11.3 118.35,11.3 118.54,11.49 121.22,11.49 122.14,10.57 121.81,10.23 C2.1
/Controller/XTAL2: length 13.9
  Bottom w0.25: 109.04,11.94 117.94,11.94 118.47,12.47 X1.1 120.08,12.8 C1.1
/LED_DATA: length 158.8
  Bottom w0.25: LED1.4 249.95,8.47 237.22,21.2 165.43,21.2 J2.1 156.7,16.5 153.1,20.1 110.61,20.1 U1.11
/RESET: length 173.8
  Top w0.25: v1(117,19) 116.9,19.1 v1(116.9,41.5) ; v1(149.7,19.1) 149.77,19.1 154.58,14.3 arc(155.23,13.32) 155.45,12.17 155.45,8.64 arc(155.82,7.76) J2.5
  Bottom w0.25: v1(149.7,19.1) 117.1,19.1 v1(117,19) 117,18.91 R1.2 112.43,14.34 109.04,14.34 ; v1(116.9,41.5) 115.97,42.44 31.4,42.44 RSW1.1
/ROW_1: length 377.7
  Top w0.25: v1(13.1,83) 13.67,82.43 arc(13.99,82.22) 14.37,82.14 16.5,82.14 arc(16.88,82.22) 17.2,82.43 17.38,82.61 arc(17.7,82.82) 18.08,82.9 v1(20.9,82.9) ; v1(80.5,16.9) 80.5,35.83 arc(80.88,37.74) 81.96,39.36 87.84,45.24 arc(88.92,46.86) 89.3,48.77 89.3,53.03 arc(88.92,54.94) 87.84,56.56 86.16,58.24 arc(85.08,59.86) 84.7,61.77 84.7,71.43 arc(84.32,73.34) 83.24,74.96 76.11,82.09 v1(76.09,82.09)
  Bottom w0.25: v1(13.1,83) 12.28,83 D1.1 ; U1.40 85.46,11.94 v1(80.5,16.9) ; v1(20.9,82.9) 31.27,82.9 31.27,82.98 D2.1 32.24,82.09 49.44,82.09 D3.1 54.5,78.89 65.28,78.89 D4.1 70.34,82.09 v1(76.09,82.09) 87.54,82.09 D5.1 89.39,82.09 106.59,82.09 D6.1 108.44,82.09 125.64,82.09 D7.1 127.49,82.09 144.69,82.09 D8.1 149.75,78.89 160.53,78.89 D9.1 165.59,82.09 182.79,82.09 D10.1 184.64,82.09 201.84,82.09 D11.1 203.69,82.09 220.89,82.09 D12.1 222.74,82.09 239.94,82.09 D13.1 245,78.89 255.78,78.89 D14.1 260.84,82.09 278.04,82.09 D15.1
/ROW_2: length 351.1
  Top w0.25: v1(63.1,23.9) 63.1,27.32 arc(62.95,28.08) 62.51,28.73 62.49,28.76 arc(62.05,29.41) 61.9,30.18 61.9,36.23 arc(62.28,38.14) 63.36,39.76 68.84,45.24 arc(69.92,46.86) 70.3,48.77 70.3,52.81 arc(69.92,54.72) 68.84,56.35 66.82,58.36 arc(65.74,59.98) 65.36,61.9 v1(65.36,63.04) ; v1(23.1,64) 22.3,64 arc(21.92,63.92) 21.6,63.71 21.2,63.31 arc(20.88,63.1) 20.5,63.02 19.49,63.02 arc(19.11,63.1) 18.79,63.31 v1(18.1,64)
  Bottom w0.25: D29.1 273.28,63.04 251.31,63.04 D28.1 249.46,63.04 232.26,63.04 D27.1 230.41,63.04 213.21,63.04 D26.1 211.36,63.04 194.16,63.04 D25.1 192.31,63.04 175.11,63.04 D24.1 173.26,63.04 156.06,63.04 D23.1 154.21,63.04 137.01,63.04 D22.1 135.16,63.04 117.96,63.04 D21.1 116.11,63.04 98.91,63.04 D20.1 97.06,63.04 79.86,63.04 D19.1 78.01,63.04 v1(65.36,63.04) 60.81,63.04 D18.1 58.96,63.04 41.76,63.04 D17.1 40.79,63.93 23.1,63.93 v1(23.1,64) ; v1(63.1,23.9) 75.86,11.14 U1.39 ; D16.1 17.06,64 v1(18.1,64)
/ROW_3: length 319.2
  Top w0.25: v1(61.5,24.22) 61.18,24.54 arc(60.53,25.51) 60.3,26.66 60.3,41.65 arc(60.07,42.79) 59.42,43.77 v1(59.19,43.99) ; v1(33.38,44.93) 27.42,44.93 arc(27.04,44.85) 26.71,44.63 26.28,44.2 arc(25.96,43.99) 25.58,43.91 21.5,43.91 arc(21.12,43.99) 20.8,44.2 v1(20.08,44.93)
  Bottom w0.25: v1(61.5,24.22) 75.38,10.34 U1.38 ; D42.1 266.13,43.99 237.02,43.99 D41.1 235.18,43.99 217.97,43.99 D40.1 216.13,43.99 198.92,43.99 D39.1 197.08,43.99 179.87,43.99 D38.1 178.03,43.99 160.82,43.99 D37.1 158.98,43.99 141.77,43.99 D36.1 139.93,43.99 122.72,43.99 D35.1 120.88,43.99 103.67,43.99 D34.1 101.83,43.99 84.62,43.99 D33.1 82.78,43.99 65.57,43.99 D32.1 63.73,43.99 v1(59.19,43.99) 46.52,43.99 D31.1 45.56,44.88 33.38,44.88 v1(33.38,44.93) ; D30.1 19.41,44.93 v1(20.08,44.93)
/ROW_4: length 314.9
  Bottom w0.25: D55.1 278.09,25 265.8,25 263.9,26.9 261,26.9 259.04,24.94 253.69,24.94 D54.1 251.84,24.94 227.5,24.94 D53.1 225.65,24.94 208.45,24.94 207.52,25.87 206.6,24.94 189.4,24.94 D51.1 187.55,24.94 170.35,24.94 D50.1 168.5,24.94 151.3,24.94 D49.1 146.49,21.99 135.21,21.99 D48.1 130.4,24.94 113.2,24.94 D47.1 111.35,24.94 94.15,24.94 D46.1 92.3,24.94 75.1,24.94 74.18,25.87 73.25,24.94 59.66,24.94 ; 59.66,24.94 75.06,9.54 U1.37 ; 59.66,24.94 56.05,24.94 D44.1 51.16,21.9 37.3,21.9 34.26,24.94 25.09,24.94 D43.1
/ROW_5: length 199.6
  Top w0.25: v1(99,8.74) 104.57,8.74 arc(105.72,8.51) 106.69,7.86 107.17,7.38 arc(108.14,6.73) 109.29,6.5 v1(125.3,6.5)
  Bottom w0.25: v1(99,8.74) U1.36 97.44,8.94 75.94,8.94 72.89,5.89 65.57,5.89 D57.1 63.73,5.89 41.76,5.89 D56.1 ; D60.1 230.41,5.89 208.45,5.89 207.52,6.82 206.6,5.89 188.79,5.89 188.79,5.91 183.9,10.8 177.3,10.8 172.39,5.89 137.01,5.89 D58.1 136.09,6.5 v1(125.3,6.5)
/USB_D+: length 19.1
  Bottom w0.2: J1.3 18.17,89.04 19.99,87.22 19.99,78.77 R3.2
/USB_D-: length 22.2
  Bottom w0.2: R4.2 24.19,71.77 24.19,74.01 19.59,78.61 19.59,87.05 17.53,89.12 J1.2
/USB_VBUS: length 64.2
  Bottom w0.4: F1.2 33.06,39.94 30.94,39.94 28.69,42.19 28.69,55.04 22.04,61.69 22.04,75.45 18.89,78.6 18.89,87.05 16.88,89.06 J1.1
Net-(C8-Pad2): length 12.3
  Bottom w0.25: U1.6 103.34,16.14 102.97,15.76 92.98,15.76 C8.2
Net-(D1-Pad2): length 9.1
  Bottom w0.25: KSW1.2 15.56,86.61 D1.2
Net-(D2-Pad2): length 9.1
  Bottom w0.25: D2.2 34.61,86.61 KSW2.2
Net-(D3-Pad2): length 7.7
  Bottom w0.25: KSW3.2 53.66,89.91 D3.2
Net-(D4-Pad2): length 7.7
  Bottom w0.25: D4.2 72.71,89.91 KSW4.2
Net-(D5-Pad2): length 7.7
  Bottom w0.25: D5.2 91.76,89.91 KSW5.2
Net-(D6-Pad2): length 7.7
  Bottom w0.25: D6.2 110.81,89.91 KSW6.2
Net-(D7-Pad2): length 7.7
  Bottom w0.25: KSW7.2 129.86,89.91 D7.2
Net-(D8-Pad2): length 7.7
  Bottom w0.25: KSW8.2 148.91,89.91 D8.2
Net-(D9-Pad2): length 7.7
  Bottom w0.25: D9.2 167.96,89.91 KSW9.2
Net-(D10-Pad2): length 7.7
  Bottom w0.25: KSW10.2 187.01,89.91 D10.2
Net-(D11-Pad2): length 7.7
  Bottom w0.25: D11.2 206.06,89.91 KSW11.2
Net-(D12-Pad2): length 7.7
  Bottom w0.25: KSW12.2 225.11,89.91 D12.2
Net-(D13-Pad2): length 7.7
  Bottom w0.25: KSW13.2 244.16,89.91 D13.2
Net-(D14-Pad2): length 7.7
  Bottom w0.25: D14.2 263.21,89.91 KSW14.2
Net-(D15-Pad2): length 7.7
  Bottom w0.25: KSW15.2 282.26,89.91 D15.2
Net-(D16-Pad2): length 7.7
  Bottom w0.25: D16.2 20.33,70.86 KSW16.2
Net-(D17-Pad2): length 7.7
  Bottom w0.25: KSW17.2 44.14,70.86 D17.2
Net-(D18-Pad2): length 7.7
  Bottom w0.25: D18.2 63.19,70.86 62.62,71.43
Net-(D19-Pad2): length 7.7
  Bottom w0.25: KSW19.2 82.24,70.86 D19.2
Net-(D20-Pad2): length 7.7
  Bottom w0.25: KSW20.2 101.29,70.86 D20.2
Net-(D21-Pad2): length 7.7
  Bottom w0.25: KSW21.2 120.34,70.86 D21.2
Net-(D22-Pad2): length 7.7
  Bottom w0.25: D22.2 139.39,70.86 KSW22.2
Net-(D23-Pad2): length 7.7
  Bottom w0.25: D23.2 158.44,70.86 KSW23.2
Net-(D24-Pad2): length 7.7
  Bottom w0.25: KSW24.2 177.49,70.86 D24.2
Net-(D25-Pad2): length 7.7
  Bottom w0.25: KSW25.2 196.54,70.86 D25.2
Net-(D26-Pad2): length 7.7
  Bottom w0.25: D26.2 215.59,70.86 KSW26.2
Net-(D27-Pad2): length 7.7
  Bottom w0.25: KSW27.2 234.64,70.86 D27.2
Net-(D28-Pad2): length 7.7
  Bottom w0.25: KSW28.2 253.69,70.86 D28.2
Net-(D29-Pad2): length 7.7
  Bottom w0.25: KSW29.2 277.5,70.86 D29.2
Net-(D30-Pad2): length 7.7
  Bottom w0.25: KSW30.2 22.71,51.81 D30.2
Net-(D31-Pad2): length 7.7
  Bottom w0.25: D31.2 48.9,51.81 KSW31.2
Net-(D32-Pad2): length 7.7
  Bottom w0.25: D32.2 67.95,51.81 KSW32.2
Net-(D33-Pad2): length 7.7
  Bottom w0.25: D33.2 87,51.81 KSW33.2
Net-(D34-Pad2): length 7.7
  Bottom w0.25: D34.2 106.05,51.81 KSW34.2
Net-(D35-Pad2): length 7.7
  Bottom w0.25: 124.53,52.38 125.1,51.81 D35.2
Net-(D36-Pad2): length 7.7
  Bottom w0.25: KSW36.2 144.15,51.81 D36.2
Net-(D37-Pad2): length 7.7
  Bottom w0.25: 162.63,52.38 163.2,51.81 D37.2
Net-(D38-Pad2): length 7.7
  Bottom w0.25: D38.2 182.25,51.81 KSW38.2
Net-(D39-Pad2): length 7.7
  Bottom w0.25: KSW39.2 201.3,51.81 D39.2
Net-(D40-Pad2): length 7.7
  Bottom w0.25: D40.2 220.35,51.81 KSW40.2
Net-(D41-Pad2): length 7.7
  Bottom w0.25: D41.2 239.4,51.81 KSW41.2
Net-(D42-Pad2): length 7.7
  Bottom w0.25: D42.2 270.36,51.81 KSW42.2
Net-(D43-Pad2): length 7.7
  Bottom w0.25: KSW43.2 27.47,32.76 D43.2
Net-(D44-Pad2): length 7.7
  Bottom w0.25: KSW44.2 58.43,32.76 D44.2
Net-(D45-Pad2): length 7.7
  Bottom w0.25: D45.2 77.47,32.76 KSW45.2
Net-(D46-Pad2): length 7.7
  Bottom w0.25: KSW46.2 96.53,32.76 D46.2
Net-(D47-Pad2): length 7.7
  Bottom w0.25: D47.2 115.57,32.76 115,33.33
Net-(D48-Pad2): length 7.7
  Bottom w0.25: D48.2 134.62,32.76 KSW48.2
Net-(D49-Pad2): length 7.7
  Bottom w0.25: D49.2 153.68,32.76 153.1,33.33
Net-(D50-Pad2): length 7.7
  Bottom w0.25: KSW50.2 172.72,32.76 D50.2
Net-(D51-Pad2): length 7.7
  Bottom w0.25: KSW51.2 191.77,32.76 D51.2
Net-(D52-Pad2): length 7.7
  Bottom w0.25: KSW52.2 210.82,32.76 D52.2
Net-(D53-Pad2): length 7.7
  Bottom w0.25: KSW53.2 229.88,32.76 D53.2
Net-(D54-Pad2): length 7.7
  Bottom w0.25: D54.2 256.07,32.76 KSW54.2
Net-(D55-Pad2): length 7.7
  Bottom w0.25: D55.2 282.26,32.76 KSW55.2
Net-(D56-Pad2): length 7.7
  Bottom w0.25: KSW56.2 44.14,13.71 D56.2
Net-(D57-Pad2): length 7.7
  Bottom w0.25: KSW57.2 67.95,13.71 D57.2
Net-(D58-Pad2): length 7.7
  Bottom w0.25: D58.2 139.39,13.71 KSW58.2
Net-(D59-Pad2): length 7.7
  Bottom w0.25: D59.2 210.82,13.71 KSW59.2
Net-(D60-Pad2): length 7.7
  Bottom w0.25: KSW60.2 234.64,13.71 D60.2
Net-(LED1-Pad2): length 3.6
  Bottom w0.25: LED2.4 258.52,8.47 257.12,9.87 LED1.2
Net-(LED2-Pad2): length 3.6
  Bottom w0.25: LED3.4 267.08,8.47 265.68,9.87 LED2.2
Net-(R2-Pad2): length 7.1
  Bottom w0.25: R2.2 99.24,5.34 U1.33

## Copper pours and planes (outline as drawn; the poured copper is in the pictures)
GND on Top, Bottom: 285.5,-0.7 -0.5,-0.7 -0.5,95.3 285.5,95.3

## Text on the board
B.Silkscreen: RESET | JLCJLCJLCJLC | MOSI | MISO | SCLK | VCC | GND
F.Mask: designed by KoRoN/KaoriYa | revision 5 | YUIOP60HH
